# KiCad board pq-register.kicad_pcb (continued)
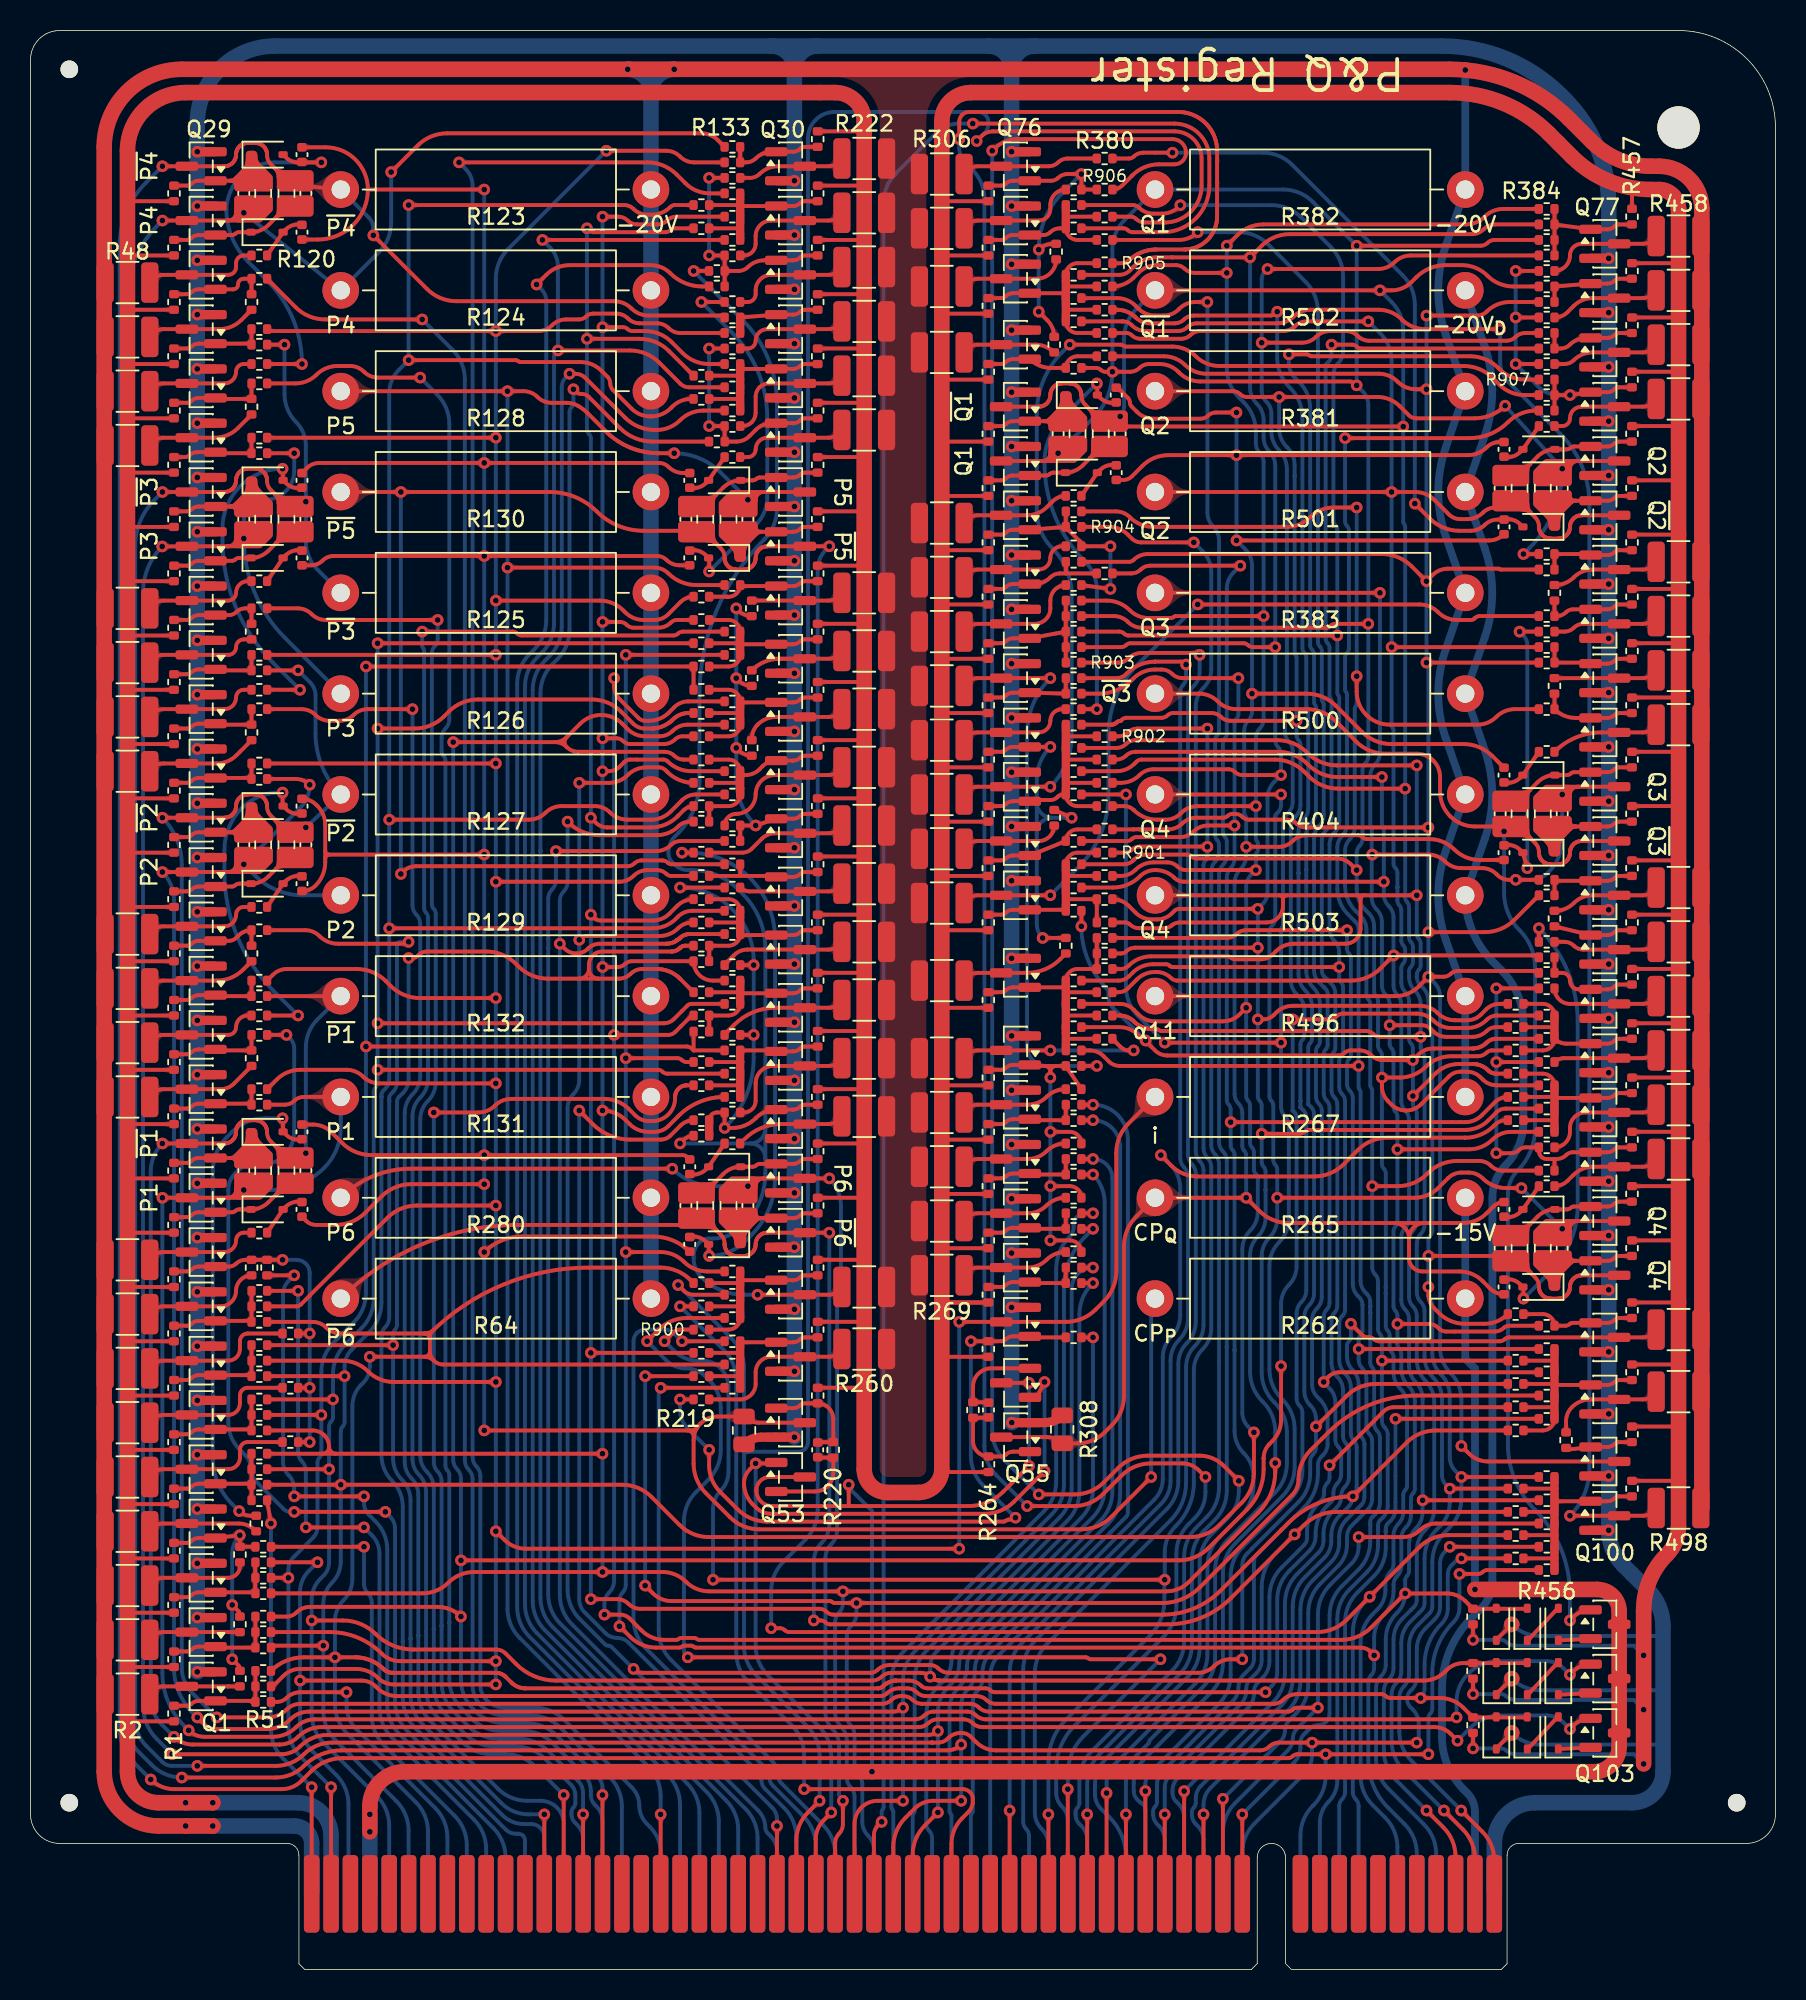
[diagram p0: board, top side]
## Placement (name value [footprint] x y rotation side) (continued)
R175  15k  [R_0402_1005Metric]  43.94 77.72 0 top
R176  15k  [R_0402_1005Metric]  45.97 76.96 0 top
R177  15k  [R_0402_1005Metric]  43.94 76.2 0 top
R178  15k  [R_0402_1005Metric]  43.94 75.18 0 top
R179  15k  [R_0402_1005Metric]  45.97 74.93 0 top
R180  15k  [R_0402_1005Metric]  45.97 73.91 0 top
R181  2k4  [R_0402_1005Metric]  43.94 73.15 180 top
R182  15k  [R_0402_1005Metric]  45.97 72.39 0 top
R183  15k  [R_0402_1005Metric]  43.94 71.63 0 top
R184  15k  [R_0402_1005Metric]  45.97 70.87 180 top
R185  15k  [R_0402_1005Metric]  43.94 70.1 0 top
R186  15k  [R_0402_1005Metric]  45.97 69.34 0 top
R187  15k  [R_0402_1005Metric]  43.94 68.58 0 top
R188  15k  [R_0402_1005Metric]  45.97 67.82 0 top
R189  15k  [R_0402_1005Metric]  43.94 67.06 0 top
R190  15k  [R_0402_1005Metric]  43.94 66.04 0 top
R191  15k  [R_0402_1005Metric]  45.97 65.79 0 top
R192  15k  [R_0402_1005Metric]  45.97 64.77 0 top
R193  15k  [R_0402_1005Metric]  43.94 64.01 0 top
R194  15k  [R_0402_1005Metric]  45.97 63.25 0 top
R195  15k  [R_0402_1005Metric]  43.94 62.48 0 top
R196  15k  [R_0402_1005Metric]  43.94 61.43 0 top
R197  15k  [R_0402_1005Metric]  45.97 61.21 0 top
R198  15k  [R_0402_1005Metric]  45.97 60.2 0 top
R199  15k  [R_0402_1005Metric]  43.94 59.44 0 top
R200  15k  [R_0402_1005Metric]  45.97 58.67 0 top
R201  15k  [R_0402_1005Metric]  43.94 57.91 0 top
R202  15k  [R_0402_1005Metric]  45.97 57.15 0 top
R203  15k  [R_0402_1005Metric]  45.97 56.13 180 top
R204  15k  [R_0402_1005Metric]  43.94 55.63 0 top
R205  15k  [R_0402_1005Metric]  43.94 54.61 0 top
R206  2k4  [R_0402_1005Metric]  45.97 54.1 0 top
R207  2k4 ¼W  [R_0603_1608Metric]  44.2 50.04 90 top
R208  2k4 ¼W  [R_0603_1608Metric]  45.72 50.04 90 top
R209  15k  [R_0402_1005Metric]  45.97 45.72 0 top
R210  15k  [R_0402_1005Metric]  43.94 44.96 0 top
R211  15k  [R_0402_1005Metric]  45.97 44.2 0 top
R212  15k  [R_0402_1005Metric]  43.94 43.43 0 top
R213  15k  [R_0402_1005Metric]  45.97 42.67 0 top
R214  15k  [R_0402_1005Metric]  45.97 41.15 0 top
R215  15k  [R_0402_1005Metric]  43.94 40.39 0 top
R216  15k  [R_0402_1005Metric]  45.97 39.62 0 top
R217  15k  [R_0402_1005Metric]  43.94 38.86 0 top
R218  15k  [R_0402_1005Metric]  45.97 38.1 0 top
R219  15k  [R_0402_1005Metric]  43.94 37.34 180 top
R220  6k8  [R_0402_1005Metric]  52.58 34.04 90 top
R221  56k  [R_0402_1005Metric]  51.56 119.89 90 top
R222  2k ½W  [R_1210_3225Metric]  54.61 118.62 180 top
R223  56k  [R_0402_1005Metric]  51.56 116.33 90 top
R224  2k ½W  [R_1210_3225Metric]  54.61 115.06 180 top
R225  56k  [R_0402_1005Metric]  51.56 112.78 90 top
R226  2k ½W  [R_1210_3225Metric]  54.61 111.51 180 top
R227  56k  [R_0402_1005Metric]  51.56 109.22 90 top
R228  2k ½W  [R_1210_3225Metric]  54.61 107.95 180 top
R229  56k  [R_0402_1005Metric]  51.56 105.66 90 top
R230  2k ½W  [R_1210_3225Metric]  54.61 104.39 180 top
R231  56k  [R_0402_1005Metric]  51.56 102.11 90 top
R232  2k ½W  [R_1210_3225Metric]  54.61 100.84 180 top
R233  33k  [R_0402_1005Metric]  51.56 98.55 90 top
R234  33k  [R_0402_1005Metric]  51.56 95 90 top
R235  56k  [R_0402_1005Metric]  51.56 91.44 90 top
R236  2k ½W  [R_1210_3225Metric]  54.61 90.17 180 top
R237  56k  [R_0402_1005Metric]  51.56 87.63 90 top
R238  2k ½W  [R_1210_3225Metric]  54.61 86.36 180 top
R239  56k  [R_0402_1005Metric]  51.56 83.82 90 top
R240  2k ½W  [R_1210_3225Metric]  54.61 82.55 180 top
R241  56k  [R_0402_1005Metric]  51.56 80.01 90 top
R242  2k ½W  [R_1210_3225Metric]  54.61 78.74 180 top
R243  56k  [R_0402_1005Metric]  51.56 76.2 90 top
R244  2k ½W  [R_1210_3225Metric]  54.61 74.93 180 top
R245  56k  [R_0402_1005Metric]  51.56 72.39 90 top
R246  2k ½W  [R_1210_3225Metric]  54.61 71.12 180 top
R247  56k  [R_0402_1005Metric]  51.56 68.58 90 top
R248  2k ½W  [R_1210_3225Metric]  54.61 67.31 180 top
R249  56k  [R_0402_1005Metric]  51.56 64.77 90 top
R250  2k ½W  [R_1210_3225Metric]  54.61 63.5 180 top
R251  56k  [R_0402_1005Metric]  51.56 60.96 90 top
R252  2k ½W  [R_1210_3225Metric]  54.61 59.69 180 top
R253  56k  [R_0402_1005Metric]  51.56 57.15 90 top
R254  2k ½W  [R_1210_3225Metric]  54.61 55.88 180 top
R255  15k  [R_0402_1005Metric]  100.58 34.67 270 top
R257  56k  [R_0402_1005Metric]  51.56 45.97 90 top
R258  2k ½W  [R_1210_3225Metric]  54.61 44.7 180 top
R259  56k  [R_0402_1005Metric]  51.56 41.91 90 top
R260  2k ½W  [R_1210_3225Metric]  54.61 40.64 180 top
R261  56k  [R_0402_1005Metric]  51.56 37.59 90 top
R262  450R 2W  [R_Axial_DIN0516_L15.5mm_D5.0mm_P20.32mm_Horizontal]  93.98 43.94 180 top
R263  2k ⅛W  [R_0805_2012Metric]  46.74 35.31 270 top
R264  56k  [R_0402_1005Metric]  62.75 33.09 270 top
R265  450R 2W  [R_Axial_DIN0516_L15.5mm_D5.0mm_P20.32mm_Horizontal]  93.98 50.55 180 top
R266  56k  [R_0402_1005Metric]  62.74 40.64 270 top
R267  800R 2W  [R_Axial_DIN0516_L15.5mm_D5.0mm_P20.32mm_Horizontal]  93.98 57.15 180 top
R268  56k  [R_0402_1005Metric]  62.74 44.2 270 top
R269  2k ½W  [R_1210_3225Metric]  59.69 45.47 0 top
R270  56k  [R_0402_1005Metric]  62.74 47.75 270 top
R271  2k ½W  [R_1210_3225Metric]  59.69 49.02 0 top
R272  56k  [R_0402_1005Metric]  62.74 51.31 270 top
R273  2k ½W  [R_1210_3225Metric]  59.69 52.58 0 top
R274  56k  [R_0402_1005Metric]  62.74 54.86 270 top
R275  2k ½W  [R_1210_3225Metric]  59.69 56.13 0 top
R276  56k  [R_0402_1005Metric]  62.74 58.42 270 top
R277  2k ½W  [R_1210_3225Metric]  59.69 59.69 0 top
R278  56k  [R_0402_1005Metric]  62.74 63.5 270 top
R279  2k ½W  [R_1210_3225Metric]  59.69 64.77 0 top
R280  300R 3W  [R_Axial_DIN0516_L15.5mm_D5.0mm_P20.32mm_Horizontal]  40.64 50.55 180 top
R281  56k  [R_0402_1005Metric]  62.74 68.58 270 top
R282  2k ½W  [R_1210_3225Metric]  59.69 69.85 0 top
R283  56k  [R_0402_1005Metric]  62.74 72.14 270 top
R284  2k ½W  [R_1210_3225Metric]  59.69 73.41 0 top
R285  56k  [R_0402_1005Metric]  62.74 75.69 270 top
R286  2k ½W  [R_1210_3225Metric]  59.69 76.96 0 top
R287  56k  [R_0402_1005Metric]  62.74 79.25 270 top
R288  2k ½W  [R_1210_3225Metric]  59.69 80.52 0 top
R289  56k  [R_0402_1005Metric]  62.74 82.8 270 top
R290  2k ½W  [R_1210_3225Metric]  59.69 84.07 0 top
R291  56k  [R_0402_1005Metric]  62.74 86.36 270 top
R292  2k ½W  [R_1210_3225Metric]  59.69 87.63 0 top
R293  56k  [R_0402_1005Metric]  62.74 89.92 270 top
R294  2k ½W  [R_1210_3225Metric]  59.69 91.19 0 top
R295  56k  [R_0402_1005Metric]  62.74 93.47 270 top
R296  2k ½W  [R_1210_3225Metric]  59.69 94.74 0 top
R297  33k  [R_0402_1005Metric]  62.74 97.03 270 top
R298  33k  [R_0402_1005Metric]  62.74 100.58 270 top
R299  56k  [R_0402_1005Metric]  62.74 104.65 270 top
R300  2k ½W  [R_1210_3225Metric]  59.69 105.92 0 top
R301  56k  [R_0402_1005Metric]  62.74 108.97 270 top
R302  2k ½W  [R_1210_3225Metric]  59.69 110.24 0 top
R303  56k  [R_0402_1005Metric]  62.74 112.78 270 top
R304  2k ½W  [R_1210_3225Metric]  59.69 114.05 0 top
R305  56k  [R_0402_1005Metric]  62.74 116.33 270 top
R306  2k ½W  [R_1210_3225Metric]  59.69 117.6 0 top
R307  6k8  [R_0402_1005Metric]  61.74 36.65 270 top
R308  2k ⅛W  [R_0805_2012Metric]  67.58 35.38 90 top
R309  15k  [R_0402_1005Metric]  68.33 41.4 180 top
R310  15k  [R_0402_1005Metric]  68.33 44.96 180 top
R311  15k  [R_0402_1005Metric]  68.33 45.97 180 top
R312  15k  [R_0402_1005Metric]  68.33 46.99 0 top
R313  15k  [R_0402_1005Metric]  68.33 48.51 180 top
R314  15k  [R_0402_1005Metric]  68.33 49.53 180 top
R315  15k  [R_0402_1005Metric]  68.33 50.55 0 top
R316  15k  [R_0402_1005Metric]  68.33 52.07 180 top
R317  15k  [R_0402_1005Metric]  68.33 53.09 180 top
R318  15k  [R_0402_1005Metric]  68.33 54.1 0 top
R319  15k  [R_0402_1005Metric]  68.33 55.63 180 top
R320  15k  [R_0402_1005Metric]  68.33 56.64 180 top
R321  15k  [R_0402_1005Metric]  68.33 57.66 0 top
R322  15k  [R_0402_1005Metric]  68.33 59.18 180 top
R323  15k  [R_0402_1005Metric]  68.33 60.2 180 top
R324  15k  [R_0402_1005Metric]  70.36 60.96 180 top
R325  15k  [R_0402_1005Metric]  68.33 61.72 180 top
R326  15k  [R_0402_1005Metric]  70.36 62.48 180 top
R327  15k  [R_0402_1005Metric]  68.33 63.25 180 top
R328  15k  [R_0402_1005Metric]  70.36 64.01 180 top
R329  15k  [R_0402_1005Metric]  68.33 64.77 180 top
R330  15k  [R_0402_1005Metric]  70.36 65.53 180 top
R331  15k  [R_0402_1005Metric]  70.36 66.55 180 top
R332  15k  [R_0402_1005Metric]  67.82 67.06 90 top
R333  15k  [R_0402_1005Metric]  70.36 67.56 180 top
R334  15k  [R_0402_1005Metric]  70.36 68.58 180 top
R335  15k  [R_0402_1005Metric]  68.33 69.34 180 top
R336  15k  [R_0402_1005Metric]  70.36 70.1 180 top
R337  15k  [R_0402_1005Metric]  68.33 70.87 180 top
R338  15k  [R_0402_1005Metric]  70.36 71.63 180 top
R339  15k  [R_0402_1005Metric]  68.33 72.39 180 top
R340  15k  [R_0402_1005Metric]  68.33 73.91 180 top
R341  15k  [R_0402_1005Metric]  70.36 74.68 180 top
R342  15k  [R_0402_1005Metric]  67.06 75.44 90 top
R343  15k  [R_0402_1005Metric]  70.36 76.2 180 top
R344  15k  [R_0402_1005Metric]  68.33 76.96 180 top
R345  15k  [R_0402_1005Metric]  70.36 77.72 180 top
R346  15k  [R_0402_1005Metric]  68.33 78.49 180 top
R347  15k  [R_0402_1005Metric]  70.36 79.25 180 top
R348  15k  [R_0402_1005Metric]  68.33 80.01 180 top
R349  15k  [R_0402_1005Metric]  68.33 81.53 180 top
R350  2k4  [R_0402_1005Metric]  68.33 82.55 0 top
R351  15k  [R_0402_1005Metric]  68.33 83.57 180 top
R352  15k  [R_0402_1005Metric]  68.33 84.58 180 top
R353  15k  [R_0402_1005Metric]  68.33 86.61 180 top
R354  15k  [R_0402_1005Metric]  68.33 87.63 180 top
R355  15k  [R_0402_1005Metric]  68.33 88.65 180 top
R356  15k  [R_0402_1005Metric]  68.33 89.66 180 top
R357  15k  [R_0402_1005Metric]  68.33 90.68 0 top
R358  15k  [R_0402_1005Metric]  70.36 91.44 180 top
R359  15k  [R_0402_1005Metric]  68.33 92.2 180 top
R360  15k  [R_0402_1005Metric]  68.33 93.22 0 top
R361  15k  [R_0402_1005Metric]  68.33 95.5 180 top
R362  2k4  [R_0402_1005Metric]  68.33 96.52 180 top
R363  2k4 ¼W  [R_0603_1608Metric]  70.1 100.58 270 top
R364  2k4 ¼W  [R_0603_1608Metric]  68.58 100.58 270 top
R365  15k  [R_0402_1005Metric]  68.33 104.9 180 top
R366  15k  [R_0402_1005Metric]  70.36 105.66 180 top
R367  15k  [R_0402_1005Metric]  67.06 106.43 90 top
R368  15k  [R_0402_1005Metric]  70.36 107.19 180 top
R369  15k  [R_0402_1005Metric]  68.33 107.95 180 top
R370  15k  [R_0402_1005Metric]  70.36 108.71 180 top
R371  15k  [R_0402_1005Metric]  68.33 109.47 180 top
R372  15k  [R_0402_1005Metric]  70.36 110.24 180 top
R373  15k  [R_0402_1005Metric]  68.33 111 180 top
R374  15k  [R_0402_1005Metric]  67.18 112.52 90 top
R375  15k  [R_0402_1005Metric]  70.36 113.28 180 top
R376  15k  [R_0402_1005Metric]  68.33 114.05 180 top
R377  15k  [R_0402_1005Metric]  70.36 114.81 180 top
R378  15k  [R_0402_1005Metric]  68.33 115.57 180 top
R379  15k  [R_0402_1005Metric]  68.33 116.59 0 top
R380  2k4  [R_0402_1005Metric]  70.36 118.62 0 top
R381  300R 3W  [R_Axial_DIN0516_L15.5mm_D5.0mm_P20.32mm_Horizontal]  93.98 103.38 180 top
R382  300R 3W  [R_Axial_DIN0516_L15.5mm_D5.0mm_P20.32mm_Horizontal]  93.98 116.59 180 top
R383  300R 3W  [R_Axial_DIN0516_L15.5mm_D5.0mm_P20.32mm_Horizontal]  93.98 90.17 180 top
R384  15k  [R_0402_1005Metric]  99.31 115.32 0 top
R385  15k  [R_0402_1005Metric]  99.31 114.3 0 top
R386  15k  [R_0402_1005Metric]  99.31 113.28 0 top
R387  15k  [R_0402_1005Metric]  99.31 112.27 0 top
R388  15k  [R_0402_1005Metric]  99.31 111.25 180 top
R389  15k  [R_0402_1005Metric]  99.31 110.24 0 top
R390  15k  [R_0402_1005Metric]  99.31 109.22 0 top
R391  15k  [R_0402_1005Metric]  99.31 108.2 180 top
R392  15k  [R_0402_1005Metric]  99.31 107.19 0 top
R393  15k  [R_0402_1005Metric]  99.31 106.17 0 top
R394  15k  [R_0402_1005Metric]  99.31 105.16 180 top
R395  15k  [R_0402_1005Metric]  99.31 103.12 0 top
R396  15k  [R_0402_1005Metric]  99.31 102.11 0 top
R397  2k4  [R_0402_1005Metric]  99.31 101.09 0 top
R398  2k4 ¼W  [R_0603_1608Metric]  97.54 97.03 90 top
R399  2k4 ¼W  [R_0603_1608Metric]  99.06 97.03 90 top
R400  15k  [R_0402_1005Metric]  99.31 92.71 0 top
R401  15k  [R_0402_1005Metric]  99.31 91.69 0 top
R402  15k  [R_0402_1005Metric]  99.82 90.17 270 top
R403  15k  [R_0402_1005Metric]  99.31 88.65 0 top
R404  300R 3W  [R_Axial_DIN0516_L15.5mm_D5.0mm_P20.32mm_Horizontal]  93.98 76.96 180 top
R405  2k4  [R_0402_1005Metric]  99.31 87.63 180 top
R406  15k  [R_0402_1005Metric]  99.31 86.61 0 top
R407  15k  [R_0402_1005Metric]  99.31 85.6 0 top
R408  15k  [R_0402_1005Metric]  99.82 84.07 270 top
R409  15k  [R_0402_1005Metric]  99.31 82.55 0 top
R410  2k4  [R_0402_1005Metric]  99.31 79.76 0 top
R411  2k4 ¼W  [R_0603_1608Metric]  97.54 75.69 90 top
R412  2k4 ¼W  [R_0603_1608Metric]  99.06 75.69 90 top
R413  15k  [R_0402_1005Metric]  99.31 71.37 0 top
R414  15k  [R_0402_1005Metric]  99.31 70.36 0 top
R415  15k  [R_0402_1005Metric]  99.82 68.83 270 top
R416  2k4  [R_0402_1005Metric]  99.31 67.31 180 top
R417  15k  [R_0402_1005Metric]  99.31 66.29 0 top
R418  15k  [R_0402_1005Metric]  99.31 65.28 0 top
R419  15k  [R_0402_1005Metric]  99.31 64.26 180 top
R420  15k  [R_0402_1005Metric]  97.28 63.25 0 top
R421  15k  [R_0402_1005Metric]  99.31 62.48 0 top
R422  15k  [R_0402_1005Metric]  97.28 61.72 0 top
R423  15k  [R_0402_1005Metric]  99.31 60.96 0 top
R424  15k  [R_0402_1005Metric]  97.28 60.2 0 top
R425  15k  [R_0402_1005Metric]  99.31 59.44 180 top
R426  15k  [R_0402_1005Metric]  97.28 58.67 0 top
R427  15k  [R_0402_1005Metric]  99.31 57.91 0 top
R428  15k  [R_0402_1005Metric]  97.28 57.15 0 top
R429  15k  [R_0402_1005Metric]  99.31 56.39 0 top
R430  15k  [R_0402_1005Metric]  97.28 55.63 0 top
R431  15k  [R_0402_1005Metric]  99.31 54.86 0 top
R432  15k  [R_0402_1005Metric]  99.31 53.85 180 top
R433  15k  [R_0402_1005Metric]  99.31 52.32 0 top
R434  2k4  [R_0402_1005Metric]  99.31 51.31 0 top
R435  2k4 ¼W  [R_0603_1608Metric]  97.54 47.24 90 top
R436  2k4 ¼W  [R_0603_1608Metric]  99.06 47.24 90 top
R437  15k  [R_0402_1005Metric]  97.28 42.93 0 top
R438  15k  [R_0402_1005Metric]  99.31 42.16 0 top
R439  15k  [R_0402_1005Metric]  99.31 40.64 0 top
R440  15k  [R_0402_1005Metric]  97.28 39.88 0 top
R441  15k  [R_0402_1005Metric]  99.31 39.12 0 top
R442  15k  [R_0402_1005Metric]  97.28 38.35 0 top
R443  15k  [R_0402_1005Metric]  99.31 37.59 0 top
R444  15k  [R_0402_1005Metric]  97.28 36.83 0 top
R445  15k  [R_0402_1005Metric]  99.31 36.07 0 top
R446  15k  [R_0402_1005Metric]  97.28 35.31 0 top
R448  15k  [R_0402_1005Metric]  99.31 32.26 0 top
R449  15k  [R_0402_1005Metric]  97.28 31.5 0 top
R450  15k  [R_0402_1005Metric]  99.31 30.73 0 top
R451  15k  [R_0402_1005Metric]  97.28 29.97 0 top
R452  15k  [R_0402_1005Metric]  99.31 29.21 0 top
R453  15k  [R_0402_1005Metric]  97.28 28.45 0 top
R454  15k  [R_0402_1005Metric]  99.31 27.69 0 top
R455  15k  [R_0402_1005Metric]  97.28 26.92 0 top
R456  15k  [R_0402_1005Metric]  99.31 26.16 0 top
R457  56k  [R_0402_1005Metric]  104.9 114.81 90 top
R458  2k ½W  [R_1210_3225Metric]  107.95 113.54 180 top
R459  56k  [R_0402_1005Metric]  104.9 111.25 90 top
R460  2k ½W  [R_1210_3225Metric]  107.95 109.98 180 top
R461  56k  [R_0402_1005Metric]  104.9 107.7 90 top
R462  2k ½W  [R_1210_3225Metric]  107.95 106.43 180 top
R463  56k  [R_0402_1005Metric]  104.9 104.14 90 top
R464  2k ½W  [R_1210_3225Metric]  107.95 102.87 180 top
R465  33k  [R_0402_1005Metric]  104.9 100.58 90 top
R466  33k  [R_0402_1005Metric]  104.9 97.03 90 top
R467  56k  [R_0402_1005Metric]  104.9 93.47 90 top
R468  2k ½W  [R_1210_3225Metric]  107.95 92.2 180 top
R469  56k  [R_0402_1005Metric]  104.9 89.92 90 top
R470  2k ½W  [R_1210_3225Metric]  107.95 88.65 180 top
R471  56k  [R_0402_1005Metric]  104.9 86.36 90 top
R472  2k ½W  [R_1210_3225Metric]  107.95 85.09 180 top
R473  56k  [R_0402_1005Metric]  104.9 82.8 90 top
R474  2k ½W  [R_1210_3225Metric]  107.95 81.53 180 top
R475  33k  [R_0402_1005Metric]  104.9 79.25 90 top
R476  33k  [R_0402_1005Metric]  104.9 75.69 90 top
R477  56k  [R_0402_1005Metric]  104.9 72.14 90 top
R478  2k ½W  [R_1210_3225Metric]  107.95 70.87 180 top
R479  56k  [R_0402_1005Metric]  104.9 68.58 90 top
R480  2k ½W  [R_1210_3225Metric]  107.95 67.31 180 top
R481  56k  [R_0402_1005Metric]  104.9 65.02 90 top
R482  2k ½W  [R_1210_3225Metric]  107.95 63.75 180 top
R483  56k  [R_0402_1005Metric]  104.9 61.47 90 top
R484  2k ½W  [R_1210_3225Metric]  107.95 60.2 180 top
R485  56k  [R_0402_1005Metric]  104.9 57.91 90 top
R486  2k ½W  [R_1210_3225Metric]  107.95 56.64 180 top
R487  56k  [R_0402_1005Metric]  104.9 54.36 90 top
R488  2k ½W  [R_1210_3225Metric]  107.95 53.09 180 top
R489  33k  [R_0402_1005Metric]  104.9 50.8 90 top
R490  33k  [R_0402_1005Metric]  104.9 47.24 90 top
R491  56k  [R_0402_1005Metric]  104.9 43.18 90 top
R492  2k ½W  [R_1210_3225Metric]  107.95 41.91 180 top
R493  56k  [R_0402_1005Metric]  104.9 39.12 90 top
R494  2k ½W  [R_1210_3225Metric]  107.95 37.85 180 top
R495  56k  [R_0402_1005Metric]  104.9 35.05 90 top
R496  800R 2W  [R_Axial_DIN0516_L15.5mm_D5.0mm_P20.32mm_Horizontal]  93.98 63.75 180 top
R497  56k  [R_0402_1005Metric]  104.9 31.5 90 top
R498  2k ½W  [R_1210_3225Metric]  107.95 30.23 180 top
R499  56k  [R_0402_1005Metric]  94.49 23.11 270 top
R500  300R 3W  [R_Axial_DIN0516_L15.5mm_D5.0mm_P20.32mm_Horizontal]  93.98 83.57 180 top
R501  300R 3W  [R_Axial_DIN0516_L15.5mm_D5.0mm_P20.32mm_Horizontal]  93.98 96.77 180 top
R502  300R 3W  [R_Axial_DIN0516_L15.5mm_D5.0mm_P20.32mm_Horizontal]  93.98 109.98 180 top
R503  300R 3W  [R_Axial_DIN0516_L15.5mm_D5.0mm_P20.32mm_Horizontal]  93.98 70.36 180 top
R504  56k  [R_0402_1005Metric]  94.49 16 270 top
R505  56k  [R_0402_1005Metric]  94.49 19.56 270 top
R512  33k  [R_0402_1005Metric]  51.56 50.04 90 top
R513  33k  [R_0402_1005Metric]  51.56 53.59 90 top
R900  15k  [R_0402_1005Metric]  43.94 41.91 0 top
R901  15k  [R_0402_1005Metric]  70.36 73.15 180 top
R902  15k  [R_0402_1005Metric]  70.36 80.77 180 top
R903  15k  [R_0402_1005Metric]  68.33 85.6 180 top
R904  15k  [R_0402_1005Metric]  68.33 94.49 180 top
R905  15k  [R_0402_1005Metric]  70.36 111.76 180 top
R906  15k  [R_0402_1005Metric]  70.36 116.59 180 top
R907  15k  [R_0402_1005Metric]  99.31 104.14 0 top
REF**  -  [OSHW-Logo2_14.6x12mm_SilkScreen]  56.9 101.6 270 bottom
TH1  Tooling Hole  [JLC_ToolingHole]  2.54 124.46 0 top
TH2  Tooling Hole  [JLC_ToolingHole]  2.54 10.92 0 top
TH2#2  Tooling Hole  [JLC_ToolingHole]  111.76 10.92 0 top

## Library data of the parts
C1-C42 = -: Description: capacitor, small US symbol; KiLib_Generator: SMD_2terminal_chip_molded; ki_fp_filters: C_*
CR1-CR29 = -: Description: Diode; Sim.Device: D; Sim.Pins: 1=K 2=A; ki_fp_filters: TO-???* *_Diode_* *SingleDiode* D_*
MH1 = -: Datasheet: https://www.bivar.com/parts_content/Datasheets/CP-2X.pdf; Description: PCB Card Ejector, 1.13 in Upturned Lever, Nylon, White
P1 = -: ki_fp_filters: Connector*:*_2x??_*
Q1-Q103 = -: Description: PNP BJT; KiLib_Generator: package/gullwing; Sim.Device: PNP; Sim.Pins: 1=E 2=B 3=C
R1-R63 R65-R122 R133-R255 R257-R261 R263 R264 R266 R268-R279 R281-R380 R384-R403 R405-R446 R448-R495 R497-R499 R504 R505 R512 R513 R900-R907 = -: Description: Resistor, US symbol; KiLib_Generator: SMD_2terminal_chip_molded; ki_fp_filters: R_*
R64 R123-R132 R262 R265 R267 R280 R381-R383 R404 R496 R500-R503 = -: Description: Resistor, US symbol; KiLib_Generator: resistor/THT; ki_fp_filters: R_*

## Footprints (pads in the part's own frame, mm; a bottom-side part is the same pattern mirrored in y, then rotated)
Bivar_CP-26_WE
  round 2.769 hole 2.769 unplated: (0,0)
Bus_PCI_5V_32bit
  rrect 1.016x5.08 smd far side: A1(-38.735,-3.302) A2(-37.465,-3.302) A3(-36.195,-3.302) A4(-34.925,-3.302) A5(-33.655,-3.302) A6(-32.385,-3.302) A7(-31.115,-3.302) A8(-29.845,-3.302) A9(-28.575,-3.302) A10(-27.305,-3.302) A11(-26.035,-3.302) A12(-24.765,-3.302) A13(-23.495,-3.302) A14(-22.225,-3.302) A15(-20.955,-3.302) A16(-19.685,-3.302) A17(-18.415,-3.302) A18(-17.145,-3.302) A19(-15.875,-3.302) A20(-14.605,-3.302) A21(-13.335,-3.302) A22(-12.065,-3.302) A23(-10.795,-3.302) A24(-9.525,-3.302) A25(-8.255,-3.302) A26(-6.985,-3.302) A27(-5.715,-3.302) A28(-4.445,-3.302) A29(-3.175,-3.302) A30(-1.905,-3.302) A31(-0.635,-3.302) A32(0.635,-3.302) A33(1.905,-3.302) A34(3.175,-3.302) A35(4.445,-3.302) A36(5.715,-3.302) A37(6.985,-3.302) A38(8.255,-3.302) A39(9.525,-3.302) A40(10.795,-3.302) A41(12.065,-3.302) A42(13.335,-3.302) A43(14.605,-3.302) A44(15.875,-3.302) A45(17.145,-3.302) A46(18.415,-3.302) A47(19.685,-3.302) A48(20.955,-3.302) A49(22.225,-3.302) A52(26.035,-3.302) A53(27.305,-3.302) A54(28.575,-3.302) A55(29.845,-3.302) A56(31.115,-3.302) A57(32.385,-3.302) A58(33.655,-3.302) A59(34.925,-3.302) A60(36.195,-3.302) A61(37.465,-3.302) A62(38.735,-3.302)
  rrect 1.016x5.08 smd: B1(-38.735,-3.302) B2(-37.465,-3.302) B3(-36.195,-3.302) B4(-34.925,-3.302) B5(-33.655,-3.302) B6(-32.385,-3.302) B7(-31.115,-3.302) B8(-29.845,-3.302) B9(-28.575,-3.302) B10(-27.305,-3.302) B11(-26.035,-3.302) B12(-24.765,-3.302) B13(-23.495,-3.302) B14(-22.225,-3.302) B15(-20.955,-3.302) B16(-19.685,-3.302) B17(-18.415,-3.302) B18(-17.145,-3.302) B19(-15.875,-3.302) B20(-14.605,-3.302) B21(-13.335,-3.302) B22(-12.065,-3.302) B23(-10.795,-3.302) B24(-9.525,-3.302) B25(-8.255,-3.302) B26(-6.985,-3.302) B27(-5.715,-3.302) B28(-4.445,-3.302) B29(-3.175,-3.302) B30(-1.905,-3.302) B31(-0.635,-3.302) B32(0.635,-3.302) B33(1.905,-3.302) B34(3.175,-3.302) B35(4.445,-3.302) B36(5.715,-3.302) B37(6.985,-3.302) B38(8.255,-3.302) B39(9.525,-3.302) B40(10.795,-3.302) B41(12.065,-3.302) B42(13.335,-3.302) B43(14.605,-3.302) B44(15.875,-3.302) B45(17.145,-3.302) B46(18.415,-3.302) B47(19.685,-3.302) B48(20.955,-3.302) B49(22.225,-3.302) B52(26.035,-3.302) B53(27.305,-3.302) B54(28.575,-3.302) B55(29.845,-3.302) B56(31.115,-3.302) B57(32.385,-3.302) B58(33.655,-3.302) B59(34.925,-3.302) B60(36.195,-3.302) B61(37.465,-3.302) B62(38.735,-3.302)
C_0402_1005Metric
  rrect 0.56x0.62 smd: 1(-0.48,0) 2(0.48,0)
D_SOD-323
  rrect 0.6x0.45 smd: 1(-1.05,0) 2(1.05,0)
JLC_ToolingHole
  round 1.152 hole 1.152 unplated: (0,0)
R_0402_1005Metric
  rrect 0.54x0.64 smd: 1(-0.51,0) 2(0.51,0)
R_0603_1608Metric
  rrect 0.8x0.95 smd: 1(-0.825,0) 2(0.825,0)
R_0805_2012Metric
  rrect 1.025x1.4 smd: 1(-0.912,0) 2(0.912,0)
R_1210_3225Metric
  rrect 1.125x2.65 smd: 1(-1.462,0) 2(1.462,0)
R_Axial_DIN0516_L15.5mm_D5.0mm_P20.32mm_Horizontal
  round 2.4 hole 1.2: 1(0,0) 2(20.32,0)
SOT-23
  rrect 1.475x0.6 smd: 1(-0.938,0.95) 2(-0.938,-0.95) 3(0.938,0)

## Nets
+15V: P1.A2 R1.2 R3.2 R5.2 R7.2 R9.2 R11.2 R13.2 R15.2 R17.2 R19.2 R20.2 R21.2 R23.2 R25.2 R27.2 R29.2 R30.2 R31.2 R33.2 R35.2 R37.2 R39.2 R40.2 R41.2 R43.2 R45.2 R47.2 R49.2 R50.2 R221.2 R223.2 R225.2 R227.2 R229.2 R231.2 R233.2 R234.2 R235.2 R237.2 R239.2 R241.2 R243.2 R245.2 R247.2 R249.2 R251.2 R253.2 R257.2 R259.2 R261.2 R264.2 R266.2 R268.2 R270.2 R272.2 R274.2 R276.2 R278.2 R281.2 R283.2 R285.2 R287.2 R289.2 R291.2 R293.2 R295.2 R297.2 R298.2 R299.2 R301.2 R303.2 R305.2 R457.2 R459.2 R461.2 R463.2 R465.2 R466.2 R467.2 R469.2 R471.2 R473.2 R475.2 R476.2 R477.2 R479.2 R481.2 R483.2 R485.2 R487.2 R489.2 R490.2 R491.2 R493.2 R495.2 R497.2 R499.2 R504.2 R505.2 R512.2 R513.2
-15V: P1.A4 Q53.3 Q54.3 Q101.3 Q102.3 Q103.3 R262.1 R265.1
-20V: P1.A1 R2.1 R4.1 R6.1 R8.1 R10.1 R12.1 R14.1 R16.1 R18.1 R22.1 R24.1 R26.1 R28.1 R32.1 R34.1 R36.1 R38.1 R42.1 R44.1 R46.1 R48.1 R64.1 R123.1 R124.1 R125.1 R126.1 R127.1 R128.1 R129.1 R130.1 R131.1 R132.1 R222.1 R224.1 R226.1 R228.1 R230.1 R232.1 R236.1 R238.1 R240.1 R242.1 R244.1 R246.1 R248.1 R250.1 R252.1 R254.1 R258.1 R260.1 R267.1 R269.1 R271.1 R273.1 R275.1 R277.1 R279.1 R280.1 R282.1 R284.1 R286.1 R288.1 R290.1 R292.1 R294.1 R296.1 R300.1 R302.1 R304.1 R306.1 R381.1 R382.1 R383.1 R404.1 R458.1 R460.1 R462.1 R464.1 R468.1 R470.1 R472.1 R474.1 R478.1 R480.1 R482.1 R484.1 R486.1 R488.1 R492.1 R494.1 R496.1 R498.1
-20V_{D}: P1.A61 R500.1 R501.1 R502.1 R503.1
GND: CR21.1 CR24.1 CR25.1 P1.A62 Q1.2 Q2.2 Q3.2 Q4.2 Q5.2 Q6.2 Q7.2 Q8.2 Q9.2 Q10.2 Q11.2 Q12.2 Q13.2 Q14.2 Q15.2 Q16.2 Q17.2 Q18.2 Q19.2 Q20.2 Q21.2 Q22.2 Q23.2 Q24.2 Q25.2 Q26.2 Q27.2 Q28.2 Q29.2 Q30.2 Q31.2 Q32.2 Q33.2 Q34.2 Q35.2 Q36.2 Q37.2 Q38.2 Q39.2 Q40.2 Q41.2 Q42.2 Q43.2 Q44.2 Q45.2 Q46.2 Q47.2 Q48.2 Q49.2 Q50.2 Q51.2 Q52.2 Q55.2 Q56.2 Q57.2 Q58.2 Q59.2 Q60.2 Q61.2 Q62.2 Q63.2 Q64.2 Q65.2 Q66.2 Q67.2 Q68.2 Q69.2 Q70.2 Q71.2 Q72.2 Q73.2 Q74.2 Q75.2 Q76.2 Q77.2 Q78.2 Q79.2 Q80.2 Q81.2 Q82.2 Q83.2 Q84.2 Q85.2 Q86.2 Q87.2 Q88.2 Q89.2 Q90.2 Q91.2 Q92.2 Q93.2 Q94.2 Q95.2 Q96.2 Q97.2 Q98.2 Q99.2 Q100.2 R263.2 R308.2
/P1/P1': Q4.3 R8.2 R65.1
/P1/P1_{S}: C4.1 Q10.3 Q102.1 R86.2 R87.1 R131.2
/P1/~{P1'}: Q9.3 R18.2 R84.2
/P1/~{P1_{S}}: C1.2 Q11.3 Q103.1 R85.1 R92.1 R132.2
/P2/P2': Q13.3 R24.2 R91.1
/P2/~{P2'}: Q15.3 R28.2 R96.2
/P3/P3': Q19.3 R34.2 R103.1
/P3/~{P3'}: Q21.3 R38.2 R108.2
/P4/P4': Q25.3 R44.2 R115.1
/P4/~{P4'}: Q27.3 R48.2 R120.2
/P5/P5': Q32.3 R144.1 R226.2
/P5/~{P5'}: Q35.3 R155.2 R232.2
/P6/P6': Q42.3 R181.1 R244.2
/P6/~{P6'}: Q47.3 R206.2 R254.2
/Q1/Q1': Q66.3 R288.2 R350.1
/Q1/~{Q1'}: Q70.3 R296.2 R362.2
/Q2/Q2': Q76.3 R306.2 R380.1
/Q2/~{Q2'}: Q80.3 R397.2 R464.2
/Q3/Q3': Q84.3 R405.1 R470.2
/Q3/~{Q3'}: Q86.3 R410.2 R474.2
/Q3/~{Q3_{S}}: C35.2 Q88.3 Q101.1 R411.1 R500.2
/Q4/Q4': Q90.3 R416.1 R480.2
/Q4/~{Q4'}: Q94.3 R434.2 R488.2
A: P1.B16 R57.1 R170.1 R173.1 R421.1
A*: P1.B14 R162.1
B1: P1.B39 R900.1 R901.1 R902.1
bs: P1.B30 R376.1
CP: P1.B27 Q53.1 Q54.1
CP_{1}: C2.2 C3.2 C6.2 C7.2 C10.2 C11.2 C14.2 C15.2 C18.2 C19.2 C22.2 C23.2 Q52.3 R262.2 R263.1
CP_{2}: C28.2 C29.2 C32.2 C33.2 C36.2 C37.2 C40.2 C41.2 Q55.3 R265.2 R308.1
F: P1.B25 R175.1 R187.1 R370.1 R442.1
Faf: P1.B40 R213.1
G: P1.A6 R55.1 R67.1 R75.1 R137.1 R151.1 R176.1 R186.1 R327.1 R338.1 R343.1 R356.1 R372.1 R384.1
H: P1.B2 R60.1 R72.1 R165.1 R167.1 R196.1 R198.1
i: Q56.3 R52.1 R56.1 R76.1 R80.1 R88.1 R93.1 R100.1 R105.1 R112.1 R117.1 R134.1 R146.1 R159.1 R183.1 R267.2
ia: P1.A28 R218.1
K: P1.B34 R212.1
O1: P1.A44 R344.1 R387.1 R392.1
P1: CR25.2 CR26.2 P1.A5 R68.1 R73.1 R163.1 R169.1 R194.1 R200.1 R310.1 R505.1
P1b: P1.B1 R66.1
P2: C8.1 P1.B29 Q16.3 R98.2 R99.1 R129.2 R313.1
P3: C12.1 P1.B32 Q22.3 R110.2 R111.1 R126.2 R316.1
P4: C16.1 P1.B31 Q28.3 R122.2 R124.2 R133.1 R319.1
P5: C20.1 P1.B19 Q36.3 R128.2 R157.2 R158.1
P5a: P1.A21 R140.1 R150.1
P6: C24.1 P1.B28 Q48.3 R208.2 R280.2
P6a: P1.A25 R178.1 R188.1
Q1: C30.1 P1.A57 Q71.3 R339.1 R355.1 R364.2 R365.1 R382.2 R386.1 R424.1 R427.1
Q1b: P1.A38 R903.1
Q2: C34.1 P1.B44 Q81.3 R349.1 R381.2 R399.2 R400.1
Q3: C38.1 P1.A58 Q87.3 R164.1 R199.1 R209.1 R383.2 R412.2 R413.1 R422.1 R431.1 R438.1
Q4: C42.1 P1.B43 Q95.3 R404.2 R436.2
R: P1.B42 R340.1 R351.1 R428.1
rl: P1.A8 R51.1
S2: P1.A27 R214.1
S3: P1.A30 R217.1 R443.1
T3: P1.A29 R59.1 R69.1 R71.1 R138.1 R148.1 R161.1 R171.1 R174.1 R190.1 R192.1 R202.1 R331.1 R336.1 R345.1 R353.1 R373.1 R385.1 R420.1 R429.1
Tc: P1.A36 R430.1
V: P1.A19 R136.1
~{A*}: P1.B15 R201.1
~{A}: P1.B13 R77.1 R189.1 R193.1
~{bq}: P1.A53 R361.1 R409.1 R433.1 R440.1
~{C}: P1.B37 R352.1
~{Faf}: P1.B48 R333.1 R439.1
~{F}: P1.B26 R211.1 R377.1
~{G}: P1.A7 R53.1 R79.1 R210.1 R216.1 R375.1 R441.1
~{H'}: P1.B46 R393.1
~{H}: P1.A47 R139.1 R149.1 R177.1 R185.1 R215.1 R329.1 R354.1 R378.1 R446.1
~{ic}: P1.A33 R309.1
~{O1}: P1.A41 R371.1
~{P1c}: P1.A9 R63.1
~{P1d}: P1.A11 R83.1
~{P1}: CR24.2 CR28.2 P1.A3 R61.1 R455.1 R504.1
~{P2c}: P1.A12 R90.1
~{P2d}: P1.A13 R95.1
~{P2}: C5.2 P1.A48 Q17.3 R97.1 R104.1 R127.2 R452.1
~{P3c}: P1.A14 R102.1
~{P3d}: P1.A15 R107.1
~{P3}: C9.2 P1.A49 Q23.3 R109.1 R116.1 R125.2 R454.1
~{P4c}: P1.A16 R114.1
~{P4d}: P1.A17 R119.1
~{P4}: C13.2 P1.A52 Q29.3 R121.1 R123.2 R145.1 R456.1
~{P5c}: P1.A20 R143.1
~{P5d}: P1.A23 R154.1
~{P5}: C17.2 P1.A55 Q37.3 R130.2 R156.1 R182.1 R453.1
~{P6c}: P1.A24 R180.1
~{P6d}: P1.A26 R204.1
~{P6}: C21.2 P1.B45 Q49.3 R64.2 R207.1 R451.1
~{Q1d}: P1.A39 R904.1
~{Q1}: C27.2 P1.B61 Q72.3 R326.1 R346.1 R363.1 R389.1 R449.1 R502.2
~{Q2a}: P1.A40 R905.1
~{Q2c}: P1.A43 R906.1
~{Q2d}: P1.A45 R907.1
~{Q2}: C31.2 P1.B60 Q82.3 R325.1 R335.1 R368.1 R398.1 R406.1 R423.1 R426.1 R501.2
~{Q3}: CR21.2 CR22.2 P1.A59 R168.1 R195.1 R328.1 R337.1 R347.1 R417.1 R450.1 R499.1
~{Q4}: C39.2 P1.B62 Q96.3 R330.1 R334.1 R348.1 R435.1 R437.1 R448.1 R503.2
~{rl}: P1.A10 R81.1
~{R}: P1.B41 R358.1
~{S1}: P1.A46 R444.1
~{S2}: P1.A54 R445.1
~{Tb1}: P1.A32 R311.1
~{Tb2}: P1.A31 R314.1
~{Tb3}: P1.A34 R317.1
~{Tb4}: P1.A35 R320.1
~{To}: P1.B49 R323.1 R396.1
~{V}: P1.A22 R152.1
~{β5}: Q50.3 R142.1 R205.1 R258.2
α9: P1.B47 Q97.3 R492.2
α11: Q99.3 R341.1 R359.1 R366.1 R390.1 R401.1 R407.1 R414.1 R418.1 R496.2
Net-(CR1-A): C2.1 CR1.2 R84.1
Net-(CR1-K): C1.1 CR1.1 Q10.1 R19.1 R85.2
Net-(CR2-A): C3.1 CR2.2 R65.2
Net-(CR2-K): C4.2 CR2.1 Q11.1 R20.1 R86.1
Net-(CR3-A): C6.1 CR3.2 R96.1
Net-(CR3-K): C5.1 CR3.1 Q16.1 R29.1 R97.2
Net-(CR4-A): C7.1 CR4.2 R91.2
Net-(CR4-K): C8.2 CR4.1 Q17.1 R30.1 R98.1
Net-(CR5-A): C10.1 CR5.2 R108.1
Net-(CR5-K): C9.1 CR5.1 Q22.1 R39.1 R109.2
Net-(CR6-A): C11.1 CR6.2 R103.2
Net-(CR6-K): C12.2 CR6.1 Q23.1 R40.1 R110.1
Net-(CR7-A): C14.1 CR7.2 R120.1
Net-(CR7-K): C13.1 CR7.1 Q28.1 R49.1 R121.2
Net-(CR8-A): C15.1 CR8.2 R115.2
Net-(CR8-K): C16.2 CR8.1 Q29.1 R50.1 R122.1
Net-(CR9-A): C18.1 CR9.2 R155.1
Net-(CR9-K): C17.1 CR9.1 Q36.1 R156.2 R233.1
Net-(CR10-A): C19.1 CR10.2 R144.2
Net-(CR10-K): C20.2 CR10.1 Q37.1 R157.1 R234.1
Net-(CR11-A): C22.1 CR11.2 R206.1
Net-(CR11-K): C21.1 CR11.1 Q48.1 R207.2 R513.1
Net-(CR12-A): C23.1 CR12.2 R181.2
Net-(CR12-K): C24.2 CR12.1 Q49.1 R208.1 R512.1
Net-(CR13-A): C28.1 CR13.2 R362.1
Net-(CR13-K): C27.1 CR13.1 Q71.1 R297.1 R363.2
Net-(CR14-A): C29.1 CR14.2 R350.2
Net-(CR14-K): C30.2 CR14.1 Q72.1 R298.1 R364.1
Net-(CR15-A): C32.1 CR15.2 R397.1
Net-(CR15-K): C31.1 CR15.1 Q81.1 R398.2 R465.1
Net-(CR16-A): C33.1 CR16.2 R380.2
Net-(CR16-K): C34.2 CR16.1 Q82.1 R399.1 R466.1
Net-(CR17-A): C36.1 CR17.2 R410.1
Net-(CR17-K): C35.1 CR17.1 Q87.1 R411.2 R475.1
Net-(CR18-A): C37.1 CR18.2 R405.2
Net-(CR18-K): C38.2 CR18.1 Q88.1 R412.1 R476.1
Net-(CR19-A): C40.1 CR19.2 R434.1
Net-(CR19-K): C39.1 CR19.1 Q95.1 R435.2 R489.1
Net-(CR20-A): C41.1 CR20.2 R416.2
Net-(CR20-K): C42.2 CR20.1 Q96.1 R436.1 R490.1
Net-(CR22-K): CR22.1 CR23.2
Net-(CR23-K): CR23.1 Q101.2
Net-(CR26-K): CR26.1 CR27.2
Net-(CR27-K): CR27.1 Q102.2
Net-(CR28-K): CR28.1 CR29.2
Net-(CR29-K): CR29.1 Q103.2
Net-(Q1-B): Q1.1 R1.1 R51.2 R52.2 R53.2
Net-(Q1-C): Q1.3 R2.2 R54.1
Net-(Q2-B): Q2.1 R3.1 R55.2 R56.2 R57.2
Net-(Q2-C): Q2.3 R4.2 R58.1
Net-(Q3-B): Q3.1 R5.1 R59.2 R60.2 R61.2
Net-(Q3-C): Q3.3 R6.2 R62.1
Net-(Q4-B): Q4.1 R7.1 R54.2 R58.2 R62.2 R63.2
Net-(Q5-B): Q5.1 R9.1 R66.2 R67.2 R68.2 R69.2
Net-(Q5-C): Q5.3 R10.2 R70.1
Net-(Q6-B): Q6.1 R11.1 R71.2 R72.2 R73.2
Net-(Q6-C): Q6.3 R12.2 R74.1
Net-(Q7-B): Q7.1 R13.1 R75.2 R76.2 R77.2
Net-(Q7-C): Q7.3 R14.2 R78.1
Net-(Q8-B): Q8.1 R15.1 R79.2 R80.2 R81.2
Net-(Q8-C): Q8.3 R16.2 R82.1
Net-(Q9-B): Q9.1 R17.1 R70.2 R74.2 R78.2 R82.2 R83.2
Net-(Q12-B): Q12.1 R21.1 R87.2 R88.2
Net-(Q12-C): Q12.3 R22.2 R89.1
Net-(Q13-B): Q13.1 R23.1 R89.2 R90.2
Net-(Q14-B): Q14.1 R25.1 R92.2 R93.2
Net-(Q14-C): Q14.3 R26.2 R94.1
Net-(Q15-B): Q15.1 R27.1 R94.2 R95.2
Net-(Q18-B): Q18.1 R31.1 R99.2 R100.2
Net-(Q18-C): Q18.3 R32.2 R101.1
Net-(Q19-B): Q19.1 R33.1 R101.2 R102.2
Net-(Q20-B): Q20.1 R35.1 R104.2 R105.2
Net-(Q20-C): Q20.3 R36.2 R106.1
Net-(Q21-B): Q21.1 R37.1 R106.2 R107.2
Net-(Q24-B): Q24.1 R41.1 R111.2 R112.2
Net-(Q24-C): Q24.3 R42.2 R113.1
Net-(Q25-B): Q25.1 R43.1 R113.2 R114.2
Net-(Q26-B): Q26.1 R45.1 R116.2 R117.2
Net-(Q26-C): Q26.3 R46.2 R118.1
Net-(Q27-B): Q27.1 R47.1 R118.2 R119.2
Net-(Q30-B): Q30.1 R133.2 R134.2 R221.1
Net-(Q30-C): Q30.3 R135.1 R222.2
Net-(Q31-B): Q31.1 R136.2 R137.2 R138.2 R139.2 R140.2 R223.1
Net-(Q31-C): Q31.3 R141.1 R224.2
Net-(Q32-B): Q32.1 R135.2 R141.2 R142.2 R143.2 R225.1
Net-(Q33-B): Q33.1 R145.2 R146.2 R227.1
Net-(Q33-C): Q33.3 R147.1 R228.2
Net-(Q34-B): Q34.1 R148.2 R149.2 R150.2 R151.2 R152.2 R229.1
Net-(Q34-C): Q34.3 R153.1 R230.2
Net-(Q35-B): Q35.1 R147.2 R153.2 R154.2 R231.1
Net-(Q38-B): Q38.1 R158.2 R159.2 R235.1
Net-(Q38-C): Q38.3 R160.1 R236.2
Net-(Q39-B): Q39.1 R161.2 R162.2 R163.2 R164.2 R165.2 R237.1
Net-(Q39-C): Q39.3 R166.1 R238.2
